# Altium PCB PCB_SDR.PcbDoc (part 2 of 6) (continued)
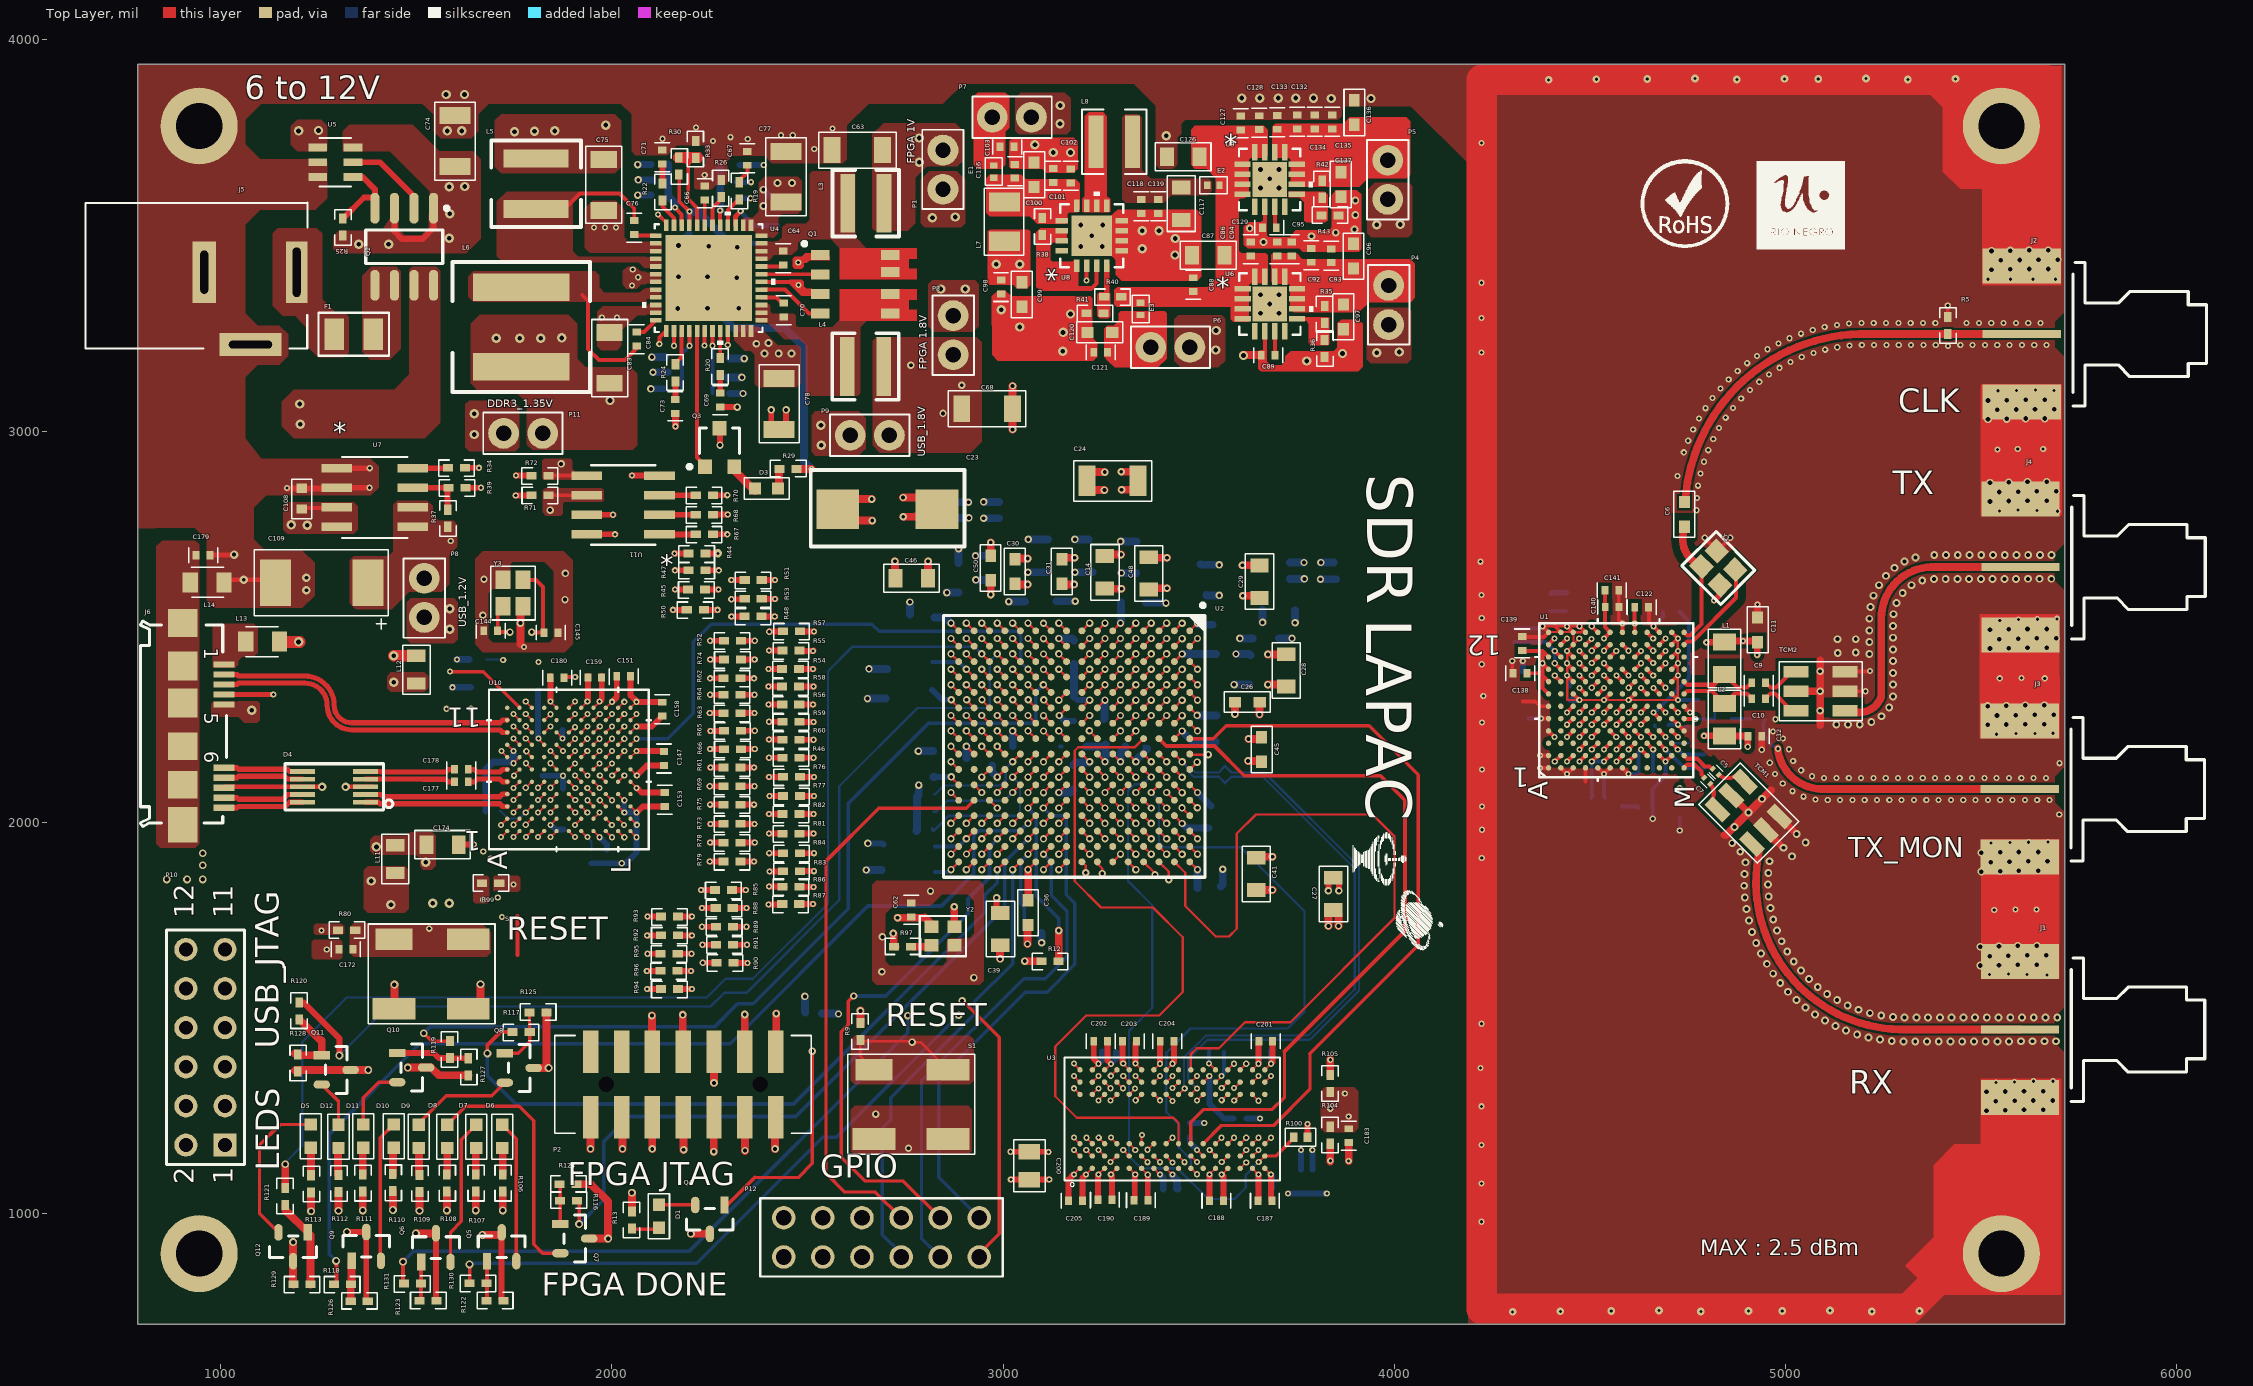
[diagram p0: Top Layer view]
## Nets (pads, with @x,y where several pads share a name; then routed paths per layer and width w, separated by ;. In a path a pad name is that pad's centre, name@x,y a point inside that pad or via, vN(x,y) a via of type N, cw(c..) or ccw(c..) an arc to the next point about the centre after c; other vN are vias at no path point) (continued)
  Bottom Layer w6: C130.2@4665.13,2245.5 v1(4692.71,2217.91) 4708.59,2202.04 C131.2@4751.61,2202.04
  Bottom Layer w10: C130.2@4665.13,2245.5 C130.2@4665.13,2248
  other v1: 4472.64,2154.92 4472.64,2186.42 4504.13,2186.42 4378.15,2406.49
  other v6: 3955,3527 4015,3528
1.3V_B_OUT: C132.2 C133.2 C134.2 C135.2 C136.2 C137.2 P5.2 R42.2 U9.10 U9.11 U9.12 U9.13 U9.14
1.8V: C68.2 C72.2 L4.2 P3.2 P9.1 R21.2 U4.48 | length 111
  Top Layer w10: v1(2118,3553) 2138.78,3532.22 U4.48@2138.78,3526.09
  Bottom Layer w6.9: v2(2338,3185) v2@2339,3185
  Bottom Layer w20: C72.2@2294.72,3137 v2(2332,3137) ; R21.2@2301.76,3185 v2@2339,3185
  other v2: 2846,3045 2894,3117 2764,3168
1.8V_F: C27.1 C28.1 C29.1 C30.1 C31.1 C32.1 C33.1 C34.1 C35.1 C36.1 C37.1 C38.1 C40.1 C46.1 C47.1 C48.1 C49.1 C50.1 C51.1 C52.1 C53.1 C54.1 C55.1 C56.1 C57.1 C58.1 C59.1 C62.1 P2.2 P3.1 P12.7 P12.8 P12.9 R9.2 R11.2 R12.2 R14.2 R15.2 R16.2 R97.1 U2.A6 U2.B3 U2.D7 U2.E4 U2.E7 U2.F1 U2.G8 U2.G10 U2.J2 U2.J10 U2.K11 U2.L6 U2.L10 U2.L16 U2.M3 U2.M13 U2.N10 U2.P7 U2.R4 U2.R14 U2.T1 U2.T11 Y2.4 | length 2493
  Top Layer w6: v2@2866.54,2115.35 U2.T11@2886.22,2095.67 ; v2(2866.54,2509.06) U2.T1@2886.22,2489.37 ; v2@2905.03,1957 v2(2905.91,1957.87) U2.R14@2925.59,1977.56 ; v2(2905.91,2390.95) U2.R4@2925.59,2371.26 ; v2(2945.28,2272.83) U2.P7@2964.96,2253.15 ; v2(2984.65,2115.35) U2.N10@3004.33,2135.04 ; v2(3024.02,1997.24) U2.M13@3043.7,2016.93 ; v2(3024.02,2430.32) U2.M3@3043.7,2410.63 ; v2(3063.39,1879.13) U2.L16@3083.07,1898.82 ; v2(3063.39,2115.35) U2.L10@3083.07,2135.04 ; v2@3063.39,2312.2 U2.L6@3083.07,2292.52 ; v2@3102.76,2075.98 U2.K11@3122.44,2095.67 ; v2(3142.13,2115.35) U2.J10@3161.81,2135.04 ; v2(3142.13,2469.69) U2.J2@3161.81,2450 ; v2(3220.09,2234.02) U2.G8@3239.77,2214.33 ; U2.G10@3240.55,2135.04 v2(3260.24,2115.35) ; U2.F1@3279.92,2489.37 v2(3299.61,2509.06) ; U2.E7@3319.29,2253.15 v2(3338.98,2272.83) ; U2.E4@3319.29,2371.26 v2(3338.98,2390.94) ; U2.D7@3358.66,2253.15 v2(3378.35,2272.83) ; U2.B3@3437.4,2410.63 v2@3457.09,2430.32 ; U2.A6@3476,2293 v2(3495.68,2273.32)
  Top Layer w10: C46.1@2723,2624.66 C46.1@2724.66,2623
  Top Layer w20: P2.2@2420,1416 v7(2420,1510.86) v7@2420,1511.86 ; R9.2@2635,1483.76 v2(2635,1518) v2@2635,1519 ; v2(2719,1716) 2720,1715 2720,1687.24 R97.1@2725.24,1682 ; C46.1@2723,2624.66 v2(2723,2667) ; v2(2730,1756) 2798.43,1756 2799.43,1757 2816.24,1740.19 Y2.4@2816.24,1732.84 ; v2(2968,2582) C50.1@2968,2621.5 ; C30.1@3029,2608 v2(3062.5,2608) ; v2(3055,1645) R12.2@3093,1645 ; C36.1@3064,1803 v2@3064,1879 ; C31.1@3148,2608 v2(3181.5,2608) ; C48.1@3381,2598 v2(3418.66,2598) ; v2(3611.34,2657) C29.1@3659,2657 ; v2(3676.34,2352) C28.1@3708,2352 ; v2(3831,1735) 3831,1762.66 C27.1@3844,1775.66 3857,1762.66 v2(3857,1735)
  Bottom Layer w5.91: C34.1@2703.66,2392 C34.1@2705,2393.34 ; C53.1@3545.19,2273.32 C53.1@3545.5,2273
  Bottom Layer w10: C33.1@2819.66,2410 2886.85,2410 v2(2905.91,2390.95) ; C37.1@2826,1938 2886.03,1938 v2(2905.91,1957.87)
  Bottom Layer w15: C40.1@2825.03,2116.01 v2(2867,2116.15)
  Bottom Layer w20: v7(2493,1555) 2493,1515 R11.2@2494,1514 ; v2(2657,2392) C34.1@2703.66,2392 ; R15.2@2778.24,1978 2780,1979.77 2780,2065.76 2784,2069.76 v2(2784,2095) ; C40.1@2822,2116 C40.1@2825.03,2116.01 ; C49.1@2824.5,2523 2852.59,2523 v2(2866.54,2509.06) ; v2@2855,2587 v2(2856,2587) C56.1@2886,2587 ; v2(2930,2619.5) C51.1@2966.5,2619.5 ; v2(2950,2777) C58.1@2989.51,2777 ; v2(2950,2819) C58.1@2989.51,2819 ; C38.1@2972,2145.5 2972,2128 v2(2984.65,2115.35) ; v2(3142.13,2469.69) 3176.31,2469.69 C57.1@3181,2465 ; v2(3183.34,2639) C47.1@3229,2639 ; v2(3299.61,2509.06) 3301,2510.45 C55.1@3301,2562 ; v2(3457.33,2430.07) C54.1@3544,2430.07 ; v2(3495.68,2273.32) C53.1@3545.19,2273.32 ; C35.1@3504,2659.34 3505.34,2658 v2(3552,2658) ; v2(3590,2352) C32.1@3630,2352 ; v2(3663,2511) C52.1@3663,2542.85 ; C59.1@3732.85,2622 v2(3769.85,2622) ; C59.1@3732.85,2664 v2(3768.85,2664)
  other v2: 3103,2075.74 3063.85,2313
  other v6: 2840,3363 2903,3363
1.8V_USB: C157.2 C158.2 C159.2 C160.2 C161.2 C162.2 C163.2 C164.2 C165.2 C166.2 C167.2 L12.1 P9.2 P10.11 R71.2 R72.2 R80.1 U10.B1 U10.C11 U10.E3 U10.F1 U10.H4 U10.H11 U10.L9 U11.8 | length 480.5
  Top Layer w5: v6(1442,2426) v6@1442.54,2425.46 ; v1(1748.03,1962.21) U10.B1@1763.78,1977.56 ; v1(1779.53,2308.27) U10.C11@1795.28,2292.52 ; v1@1842.52,2025.2 U10.E3@1858.27,2040.55 ; U10.F1@1889.76,1977.56 v1@1905.12,1961.81 ; v1@1936.88,2087.55 U10.H4@1952.24,2071.8 ; U10.H11@1952.76,2292.52 v1(1968.5,2308.27) ; U10.L9@2047.24,2229.53 v1(2062.99,2244.88)
  Top Layer w15: v1@1753,2835 v1(1754,2835) R71.2@1791,2835 ; v1@1754,2886 v1(1755,2886) R72.2@1792,2886 ; v1(1968.5,2308.27) 1973.72,2313.48 C159.2@1973.72,2374 ; U11.8@1971,2736 v1(2008,2736) v1@2009,2736 ; v1(2062.99,2244.88) 2101.6,2244.88 C158.2@2128,2271.28
  Top Layer w30: v6@1442.54,2425.46 L12.1@1500,2425.46
  Bottom Layer w5: v1@1748.03,1959.97 v1(1748.03,1962.21) ; v1@1842.52,2025.2 v1@1845.2,2025.2 ; v1@1905.64,1958.36 v1(1905.64,1962.06) v1@1906.94,1962.06
  other v1: 1258,1723 1842.52,2024.8 1937.01,2087.8
  other v6: 2535,2964 2534,3015
1.8VAD9364: C86.2 C87.2 C88.2 C126.2 C127.2 C128.2 E2.2 E3.1 R40.1 U6.1 U6.2 U6.3 U6.4 U6.15 U6.16 U9.1 U9.2 U9.3 U9.4 U9.15 U9.16
1.35V: C83.2 C85.2 L6.2 P11.1 R31.2 | length 69.9
  Bottom Layer w20: v2(2102,3189) R31.2@2135.24,3189 ; v2(2104.87,3150.13) C85.2@2141.54,3150.13
  other v6: 1995,3078 1704,3237 1764,3237 1818,3237 1872,3238
1V: C63.2 C65.2 L3.2 P1.2 R17.2 U4.21 | length 104.6
  Top Layer w10: v1@2296.26,3220.74 U4.21@2296.26,3255.8
  Bottom Layer w15: C65.2@2318.72,3636 v1(2355,3636) ; R17.2@2320.76,3595 v1(2354,3595)
  other v1: 2296,3220
  other v6: 2785,3687 2785,3749
1V_F: C13.1 C14.1 C15.1 C16.1 C17.1 C18.1 C19.1 C20.1 C21.1 C22.1 C23.1 C24.1 C25.1 C26.1 P1.1 U2.E10 U2.F7 U2.F9 U2.F11 U2.G6 U2.H9 U2.J6 U2.K9 U2.L8 | length 816.2
  Top Layer w6: v2(3063.39,2233.46) U2.L8@3083.07,2213.78 ; v2@3102.76,2154.72 U2.K9@3122.44,2174.41 ; v2@3142.61,2272.65 v2(3143,2273.04) 3162.15,2292.19 U2.J6@3162.29,2292.33 ; U2.H9@3201.18,2174.41 v2(3220.87,2154.72) ; U2.G6@3240.55,2292.52 v2(3260.24,2312.2) ; v2(3260.24,2075.98) U2.F11@3279.92,2095.67 ; U2.F9@3279.92,2174.41 v2(3299.61,2154.72) ; U2.F7@3279.92,2253.15 v2(3299.61,2272.83) ; U2.E10@3319.29,2135.04 v2(3338.98,2115.35)
  Top Layer w20: v2(2744,2830) C23.1@2776.51,2830 ; v2(2744.49,2781) 2775,2781 2776,2782 ; C24.1@3221.99,2849 v2@3258.65,2849 ; C24.1@3222.99,2895 v2@3259.65,2895 ; C14.1@3264.34,2597 v2(3302,2597) ; v2(3592,2276.34) C26.1@3592,2308
  Bottom Layer w5.91: v2(3338.98,2115.35) v2@3340.33,2114
  Bottom Layer w6: C17.1@3311.5,2194 C17.1@3312,2193.5
  Bottom Layer w10: v2(3103,2154.48) v2@3105.48,2154.48 ; C18.1@3145,2194 C18.1@3149.5,2194
  Bottom Layer w15: v2(3143,2273.04) 3157.54,2258.5 C19.1@3181,2258.5 ; C20.1@3256,2261.5 C20.1@3259,2264.5 ; v2@3259,2310.97 v2(3260.24,2312.2)
  Bottom Layer w20: v2(3014,2564) C15.1@3055.81,2564 ; v2(3063,2639) C13.1@3112,2639 ; C22.1@3179,2146.5 3185.51,2153 3219.14,2153 v2(3220.87,2154.72) ; C20.1@3259,2264.5 v2@3259,2310.97 ; v2(3299.61,2154.72) 3299.61,2178.61 3312,2191 C17.1@3312,2193.5 ; v2@3301.49,2718 C16.1@3341,2718 ; C25.1@3705.15,2470 v2(3738.15,2470)
  other v2: 3300,2718 3258.5,2849 3259.5,2895
  other v6: 2819,3545 2877,3547
3.3V: C75.2 C82.2 C98.2 C99.2 C108.1 L5.2 L7.1 R13.2 R27.2 R106.2 R107.2 R108.2 R109.2 R110.2 R111.2 R112.2 R113.2 U4.14 U7.3 U7.4 | length 637.4
  Top Layer w10: C108.1@1207,2800.62 1209.38,2803 U7.3@1297,2803 ; v1(2158.46,3218) U4.14@2158.46,3255.8
  Top Layer w20: v3(1231,1006.05) R113.2@1231,1054.24 ; v3(1301,1007.05) R112.2@1301,1055.24 ; v3(1363,1008.05) R111.2@1363,1056.24 ; v3(1440,1009.05) R110.2@1440,1057.24 ; v3(1508,1007.05) R109.2@1508,1055.24 ; v3(1578,1008.05) R108.2@1578,1056.24 ; v3(1652,1008.05) R107.2@1652,1056.24 ; v3(1721,1008.05) R106.2@1721,1056.24 ; R13.2@2051,1004.76 v3(2051,1052.95)
  Bottom Layer w17.54: v2@2065,3603 R27.2@2100.24,3603 ; v2@2065,3643 2066,3642 C82.2@2104.28,3642
  other v2: 2066,3603 2067,3642
  other v3: 862,1854 914,1854 954,1854 954,1890 954,1921
  other v6: 1221,2759 1180,2760 2982,3426 3042,3426 1751,3765 1802,3766 1854,3767 1984,3782
AD9364_CTRL_IN0: U1.C5 U2.J5 | length 2400.2
  Top Layer w6: v2(3142.32,2312.31) 3161.85,2331.85 U2.J5@3162,2332
  Top Layer w10: v1@4440.95,2249.21 v1(4441.14,2249.41) U1.C5@4456.69,2264.96
  Signal 1 w4.15: v2(3142.32,2312.31) 3201,2371 3702,2371 3740,2333 3740,2181 3971,1950 3971,1738 4028,1681 4372,1681 4425.85,1734.85 4425.85,2234 4441.14,2249.29 v1(4441.14,2249.41)
AD9364_CTRL_IN1: U1.C6 U2.E3 | length 2184.4
  Top Layer w6: U2.E3@3319.29,2410.63 v2(3338.98,2430.32)
  Top Layer w10: v1@4440.95,2280.71 v1(4441.14,2280.91) U1.C6@4456.69,2296.46
  Signal 1 w4.15: v2(3338.98,2430.32) 3339.32,2430.32 3359,2450 3748,2450 3806,2392 3806,2199.5 3938,2067.5 4058.5,2067.5 4112,2014 4112,1778 4139,1751 4335.85,1751 4352,1767.15 4352,2217.15 4415.76,2280.91 v1(4441.14,2280.91)
  Signal 2 w4.15: v2(3338.98,2430.32) v2@3339.32,2430.32
AD9364_CTRL_IN2: U1.D6 U2.B2 | length 2136.2
  Top Layer w6: U2.B2@3437.4,2450 v2@3457.09,2469.69
  Top Layer w10: v1@4472.44,2280.71 v1(4472.64,2280.91) U1.D6@4488.19,2296.46
  Signal 1 w4.15: v2(3457.33,2469.44) 3457.33,2471.33 3476,2490 3762,2490 3821,2431 3821,2216 3943,2094 4067,2094 4131,2030 4131,1800 4164,1767 4318.85,1767 4335,1783.15 4335,2251 4381,2297 4457.85,2297 4472.64,2282.21 v1(4472.64,2280.91)
AD9364_CTRL_IN3: U1.D5 U2.B5 | length 2102.9
  Top Layer w6: U2.B5@3437.4,2331.89 v2@3457.09,2351.57
  Top Layer w10: v1@4472.44,2249.21 v1(4472.64,2249.41) U1.D5@4488.19,2264.96
  Signal 1 w4.15: v2(3457.33,2351.33) 3460.67,2351.33 3481,2331 3694,2331 3725,2300 3725,2169 3944,1950 3944,1715 3994,1665 4394.85,1665 4457,1727.15 4457,2233.77 v1(4472.64,2249.41)
AD9364_CTRL_OUT0: U1.D4 U2.A5 | length 2076.9
  Top Layer w6: U2.A5@3476.77,2331.89 v2(3496.46,2312.21)
  Top Layer w10: v1@4472.44,2217.72 v1(4472.64,2217.91) U1.D4@4488.19,2233.46
  Signal 1 w4.15: v2(3496.46,2312.21) 3672.79,2312.21 3704,2281 3704,2161 3917,1948 3917,1703.73 3970.66,1647.63 4433.48,1647.63 4487.85,1702 4487.85,2201.83 4471.76,2217.91 v1(4472.64,2217.91)
AD9364_CTRL_OUT1: U1.E4 U2.B6 | length 2152.2
  Top Layer w6: U2.B6@3437.4,2292.52 v2@3457.09,2312.2
  Top Layer w10: v1@4503.94,2217.72 v1(4504.13,2217.91) U1.E4@4519.68,2233.46
  Signal 1 w4.15: v2(3457.33,2311.96) 3457.96,2311.96 3476.68,2293.24 3608.76,2293.24 3681,2221 3681,2146 3891,1936 3891,1676 3935,1632 4468.85,1632 4518.85,1682 4518.85,2203.2 v1(4504.13,2217.91)
AD9364_CTRL_OUT2: U1.E5 U2.D4 | length 2124.1
  Top Layer w6: U2.D4@3358.66,2371.26 v2(3378.35,2390.94)
  Top Layer w10: v1@4503.94,2249.21 v1(4504.13,2249.41) U1.E5@4519.68,2264.96
  Signal 2 w4.15: v2@3379.94,2390.94 v2(3378.35,2390.94) 3378.35,2389.65 3398,2370 3507,2370 3586,2449 3736,2449 3778,2407 3778,2331 3938,2171 4052,2171 4087,2136 4087,1818 4120,1785 4389.85,1785 4488,1883.15 4488,2233.28 v1(4504.13,2249.41) v1@4504.13,2248.28
AD9364_CTRL_OUT3: U1.E6 U2.C1 | length 2254.8
  Top Layer w6: U2.C1@3398.03,2489.37 v2(3417.72,2509.06)
  Top Layer w10: v1@4503.94,2280.71 v1(4504.13,2280.91) U1.E6@4519.68,2296.46
  Signal 1 w4.15: v2@3417.72,2511.72 v2(3417.72,2509.06) 3418.06,2509.06 3442,2533 3768,2533 3846,2455 3846,2227.5 3956,2117.5 4098.5,2117.5 4157,2059 4157,1813 4184,1786 4288.85,1786 4317,1814.15 4317,2253 4391,2327 4489.85,2327 4504.13,2312.72 v1(4504.13,2280.91)
AD9364_CTRL_OUT4: U1.F6 U2.A4 | length 2067.8
  Top Layer w6: U2.A4@3476.77,2371.26 v2(3496.46,2351.57)
  Top Layer w10: v1@4535.43,2280.71 v1(4535.63,2280.91) U1.F6@4551.18,2296.46
  Signal 2 w4.15: v2(3496.46,2351.57) 3514.57,2351.57 3574,2411 3733,2411 3759,2385 3759,2317 3928,2148 4035,2148 4066,2117 4066,1790 4097,1759 4416.85,1759 4519.85,1862 4519.85,2265.13 v1(4535.63,2280.91) v1@4535.63,2280.78
AD9364_CTRL_OUT5: U1.F5 U2.C6 | length 2338
  Top Layer w6: U2.C6@3398.03,2292.52 v2(3417.72,2312.2)
  Top Layer w10: v1@4535.43,2249.21 v1(4535.63,2249.41) U1.F5@4551.18,2264.96
  Signal 1 w4.15: v2@3417.72,2311.28 v2(3417.72,2312.2) 3440.43,2289.49 3440.43,2265.59 3451.02,2255 3618,2255 3659,2214 3659,2123 3801,1981 3801,1669 3857,1613 4498.85,1613 4550.85,1665 4550.85,2233.82 4535.26,2249.41 v1(4535.63,2249.41)
  Signal 2 w4.15: v1@4534.26,2249.41 v1(4535.63,2249.41)
AD9364_CTRL_OUT6: U1.F4 U2.F5 | length 2247.8
  Top Layer w6: U2.F5@3279.92,2331.89 v2(3299.61,2351.57)
  Top Layer w10: U1.F4@4551.18,2233.46 v1(4566.73,2217.91) v1@4566.93,2217.72
  Signal 2 w4.15: v2@3301.43,2351.57 v2(3299.61,2351.57) 3319,2332.18 3319,2301 3325,2295 3686,2295 4026,1955 4026,1724 4053,1697 4515,1697 4582.85,1764.85 4582.85,2200.76 4566.73,2216.88 v1(4566.73,2217.91)
AD9364_CTRL_OUT7: U1.G4 U2.B7 | length 2090
  Top Layer w6: U2.B7@3437.4,2253.15 v2@3457.09,2272.83
  Top Layer w10: U1.G4@4582.68,2233.46 v1(4598.23,2217.91) v1@4598.42,2217.72
  Signal 1 w4.15: v2(3457.33,2272.59) v2@3457.41,2272.59
  Signal 2 w4.15: v2(3457.33,2272.59) 3457.33,2268.67 3470,2256 3686,2256 4005,1937 4005,1717 4049,1673 4530,1673 4614.85,1757.85 4614.85,2200.83 4597.76,2217.91 v1(4598.23,2217.91)
AD9364_P0D0: U1.E12 U2.H2 | length 2963.7
  Top Layer w6: U2.H2@3201.18,2450 v2(3220.87,2469.69)
  Top Layer w10: v1@4503.94,2501.18 v1(4504.13,2500.98) U1.E12@4519.68,2485.43
  Signal 1 w4.15: v2(3220.87,2469.69) 3240,2488.82 3240,2780 3266,2806 3548,2806 3569,2785 3569,2771 3582,2758 3608,2758 3619.5,2769.5 3619.5,2783.5 3643,2807 3956,2807 3992,2771 3992,2324 4045,2271 4103,2271 4128,2296 4128,2762 4173,2807 4464.85,2807 4504.85,2767 4504.85,2500.27 v1(4504.13,2500.98)
AD9364_P0D1: U1.D11 U2.G1 | length 2960.5
  Top Layer w6: U2.G1@3240.55,2489.37 v2(3260.24,2509.06)
  Top Layer w10: U1.D11@4487.85,2453 4488.49,2453.64 v1(4503.4,2468.55) v1@4503.6,2468.75
  Signal 1 w4.15: v2(3260.24,2509.06) 3260.24,2765.24 3280,2785 3525,2785 3554,2756 3554,2716 3571,2699 3622,2699 3639,2716 3639,2763 3666,2790 3927,2790 3966,2751 3966,2314 4041,2239 4126,2239 4153,2266 4153,2740 4199,2786 4451.85,2786 4489,2748.85 4489,2482.95 v1(4503.4,2468.55) v1@4503.4,2471.45
AD9364_P0D2: U1.E11 U2.H1 | length 2956.4
  Top Layer w6: U2.H1@3201.18,2489.37 v2(3220.87,2509.06)
  Top Layer w10: v1@4503.94,2438.19 v1(4504.13,2438.39) U1.E11@4519.68,2453.94
  Signal 1 w4.15: v2(3220.87,2509.06) 3220.87,2789.87 3257,2826 3969,2826 4016,2779 4016,2337 4040,2313 4084,2313 4104,2333 4104,2769 4161,2826 4477.85,2826 4520.85,2783 4520.85,2453 4506.24,2438.39 v1(4504.13,2438.39) v1@4503.46,2438.39
AD9364_P0D3: U1.D10 U2.B1 | length 2917.1
  Top Layer w6: U2.B1@3437.4,2489.37 v2@3457.09,2509.06
  Top Layer w10: v1@4472.44,2438.19 v1(4472.64,2437.99) U1.D10@4488.19,2422.44
  Signal 1 w4.15: v1(4472.64,2437.99) v1@4472.64,2438.21
  Signal 2 w4.15: v2(3457.33,2508.81) 3457.33,2935.33 3483,2961 3877,2961 3983,2855 3983,2352 4031,2304 4135,2304 4187,2252 4187,2223 4224,2186 4302.85,2186 4344,2227.15 4344,2434.15 4394.85,2485 4394.85,2707.85 4423,2736 4458,2736 4487.85,2706.15 4487.85,2453.2 v1(4472.64,2437.99)
AD9364_P0D4: U1.E10 U2.C3 | length 2915.9
  Top Layer w6: U2.C3@3398.03,2410.63 v2(3417.72,2430.32)
  Top Layer w10: v1@4503.94,2406.69 v1(4504.13,2406.89) U1.E10@4519.68,2422.44
  Signal 2 w4.15: v2(3417.72,2430.32) 3418.32,2430.32 3437,2449 3465,2449 3478,2462 3478,2923 3497,2942 3843,2942 3946,2839 3946,2343 4022,2267 4145,2267 4167,2245 4167,1992 4215,1944 4300,1944 4343.07,1987.07 4343.07,2190.07 4358,2205 4358,2412.04 4368.96,2423 4486.85,2423 4502.96,2406.89 v1(4504.13,2406.89)
AD9364_P0D5: U1.D9 U2.G2 | length 2964.1
  Top Layer w6: U2.G2@3240.55,2450 v2(3260.24,2469.69)
  Top Layer w10: v1@4472.44,2406.69 v1(4472.64,2406.49) U1.D9@4488.19,2390.94
  Signal 1 w4.15: v2@3260.24,2470.24 v2(3260.24,2469.69) 3279,2488.45 3279,2743 3301,2765 3504,2765 3529,2740 3529,2701 3549,2681 3639,2681 3667,2709 3667,2741 3696,2770 3903,2770 3941,2732 3941,2300 4024,2217 4155,2217 4179,2241 4179,2715 4229,2765 4422,2765 4457.84,2729.16 4457.84,2420 4471.34,2406.49 v1(4472.64,2406.49)
AD9364_P0D6: U1.E9 U2.A2 | length 2915.3
  Top Layer w6: U2.A2@3476.77,2450 v2(3496.46,2469.69)
  Top Layer w10: v1@4503.94,2375.2 v1(4504.13,2375.39) U1.E9@4519.68,2390.94
  Signal 2 w4.15: v2(3496.46,2469.69) 3499.69,2469.69 3529,2499 3529,2689 cw(c3529,2707.57) 3529,2726.15 ccw(c3529,2744.72) 3529,2763.3 cw(c3529,2781.87) 3529,2800.44 3529,2820 3529,2867 3584,2922 3818,2922 3913,2827 3913,2309 3987,2235 4105,2235 4146,2194 4146,1895 4167,1874 4327.85,1874 4393.85,1940 4393.85,2379.89 4404.96,2391 4488.53,2391 v1(4504.13,2375.39)
AD9364_P0D7: U1.D8 U2.F2 | length 2958.8
  Top Layer w6: U2.F2@3279.92,2450 v2(3299.61,2469.69)
  Top Layer w10: v1@4472.44,2375.19 v1(4472.64,2375) U1.D8@4488.19,2359.45
  Signal 1 w4.15: v2(3299.61,2469.69) 3299.69,2469.69 3321,2491 3321,2710 3353,2742 3482,2742 3506,2718 3506,2659 3531,2634 3660,2634 3689,2663 3689,2710 3720,2741 3874,2741 3918,2697 3918,2266 3992,2192 4230,2192 4253,2215 4253,2716 4283,2746 4397,2746 4425,2718 4425,2398.85 4431.85,2392 4453.85,2392 4470.85,2375 v1(4472.64,2375)
AD9364_P0D8: U1.E8 U2.E1 | length 2954.1
  Top Layer w6: U2.E1@3319.29,2489.37 v2(3338.98,2509.06)
  Top Layer w10: v1@4503.94,2343.7 v1(4504.13,2343.9) U1.E8@4519.68,2359.45
  Signal 1 w4.15: v2(3338.98,2509.06) 3338.98,2696.98 3359,2717 3457,2717 3480,2694 3480,2619 3495,2604 3688,2604 3710,2626 3710,2683 3742,2715 3856,2715 3894,2677 3894,2243 3972,2165 4239,2165 4276,2202 4276,2707 4298,2729 4376,2729 4394.85,2710.15 4394.85,2366.15 4402,2359 4487.65,2359 4502.75,2343.9 v1(4504.13,2343.9)
AD9364_P0D9: U1.D7 U2.E2 | length 2963.5
  Top Layer w6: U2.E2@3319.29,2450 v2(3338.98,2469.69)
  Top Layer w10: v1@4472.44,2343.7 v1(4472.64,2343.5) U1.D7@4488.19,2327.95
  Signal 1 w4.15: v2(3338.98,2469.69) 3339.69,2469.69 3359,2489 3359,2677 3381,2699 3430,2699 3454,2675 3454,2581 3479,2556 3682,2556 3734,2608 3734,2666 3760,2692 3838,2692 3870,2660 3870,2233 3962.5,2140.5 4129.5,2140.5 4179,2091 4179,1829 4204,1804 4274,1804 4299.85,1829.85 4299.85,2377.85 4316,2394 4343,2394 4359,2378 4359,2357 4372.5,2343.5 v1(4472.64,2343.5)
AD9364_P0D10: U1.F8 U2.C2 | length 2917.8
  Top Layer w6: U2.C2@3398.03,2450 v2(3417.72,2469.69)
  Top Layer w10: v1@4535.43,2375.19 v1(4535.63,2375) U1.F8@4551.18,2359.45
  Signal 1 w4.15: v2@3417.72,2469.28 v2(3417.72,2469.69)
  Signal 2 w4.15: v2@3417.72,2471.72 v2(3417.72,2469.69) 3437,2488.97 3437,2946 3472,2981 3906,2981 4014,2873 4014,2395 4074,2335 4192,2335 4356.85,2499.85 4356.85,2741 4411.85,2796 4476.85,2796 4518.85,2754 4518.85,2391.78 v1(4535.63,2375) ; v1@4535.63,2374.78 v1(4535.63,2375) ; v1@4535.63,2376.22 v1(4535.63,2375)
AD9364_P0D11: U1.E7 U2.A3 | length 2912.2
  Top Layer w6: U2.A3@3476.77,2410.63 v2(3496.46,2390.94)
  Top Layer w10: U1.E7@4519.68,2327.95 v1(4535.23,2343.5) v1@4535.43,2343.7
  Signal 2 w4.15: v2(3496.46,2390.94) 3496.46,2393.46 3634,2531 3634,2836 3672,2874 3785,2874 3833,2826 3833,2531 cw(c3833,2512.43) 3833,2493.85 ccw(c3833,2475.28) 3833,2456.7 cw(c3833,2438.13) 3833,2419.56 3833,2411 3833,2314 3956,2191 4071,2191 4107,2155 4107,1841 4140,1808 4370.85,1808 4455.85,1893 4455.85,2286.85 4466,2297 4487.62,2297 4535.23,2344.62 v1(4535.23,2343.5)
AD9364_P1D0: U1.K11 U2.K3 | length 2966.3
  Top Layer w6: v2@3102.76,2430.32 v2(3103,2430.07) U2.K3@3122.44,2410.63
  Top Layer w10: U1.K11@4677.17,2453.94 v1(4692.71,2469.49) v1@4692.91,2469.69
  Signal 1 w4.15: v2@3101.93,2430.07 3081,2451 3081,2945 3257,3121 3322,3121 cw(c3340.57,3121) 3359.15,3121 ccw(c3377.72,3121) 3396.3,3121 cw(c3414.87,3121) 3433.44,3121 ccw(c3452.02,3121) 3470.59,3121 cw(c3489.17,3121) 3507.74,3121 ccw(c3526.31,3121) 3544.89,3121 3566,3121 4571.85,3121 4692.71,3000.14 v1(4692.71,2469.49)
AD9364_P1D1: U1.J12 U2.K2 | length 2966
  Top Layer w6: v2@3102.76,2469.69 v2(3103,2469.44) U2.K2@3122.44,2450
  Top Layer w10: U1.J12@4645.67,2485.43 v1(4661.22,2469.88)
  Signal 1 w4.15: v2@3103,2472 v2(3103,2469.44) 3123,2489.44 3123,2916 3243,3036 3316,3036 cw(c3335.57,3036) 3355.15,3036 ccw(c3374.72,3036) 3394.3,3036 cw(c3413.87,3036) 3433.44,3036 ccw(c3453.02,3036) 3472.59,3036 cw(c3492.17,3036) 3511.74,3036 ccw(c3531.31,3036) 3550.89,3036 cw(c3570.46,3036) 3590.04,3036 ccw(c3609.61,3036) 3629.18,3036 cw(c3648.76,3036) 3668.33,3036 ccw(c3687.91,3036) 3707.48,3036 cw(c3727.05,3036) 3746.63,3036 ccw(c3766.2,3036) 3785.78,3036 cw(c3805.35,3036) 3824.92,3036 ccw(c3844.5,3036) 3864.07,3036 cw(c3883.65,3036) 3903.22,3036 ccw(c3922.79,3036) 3942.37,3036 3956,3036 4571,3036 4644.85,2962.15 4644.85,2486.25 v1(4661.22,2469.88)
AD9364_P1D2: U1.K10 U2.H4 | length 2921.2
  Top Layer w6: U2.H4@3201.18,2371.26 v2(3220.87,2390.94)
  Top Layer w10: U1.K10@4677.17,2422.44 v1(4692.71,2437.99) v1@4692.91,2438.19
  Signal 1 w4.15: v1(4692.71,2437.99) v1@4692.71,2440.14
  Signal 2 w4.15: v2(3220.87,2390.94) 3217.06,2390.94 3164,2444 3164,2888 3389,3113 4237.85,3113 4261.85,3089 4261.85,3044 4277.85,3028 4295.85,3028 4314.85,3047 4314.85,3091 4335.85,3112 4481.85,3112 4523.85,3070 4523.85,2996 4548.85,2971 4614,2971 4708.85,2876.15 4708.85,2454.13 v1(4692.71,2437.99)
AD9364_P1D3: U1.J11 U2.J1 | length 2963.4
  Top Layer w6: v2(3142.13,2509.06) U2.J1@3161.81,2489.37
  Top Layer w10: U1.J11@4645.67,2453.94 v1(4661.22,2438.39) v1@4661.42,2438.19
  Signal 1 w4.15: v2(3142.13,2509.06) 3142.13,2899 3227.13,2984 3299,2984 cw(c3318.57,2984) 3338.15,2984 ccw(c3357.72,2984) 3377.3,2984 cw(c3396.87,2984) 3416.44,2984 ccw(c3436.02,2984) 3455.59,2984 cw(c3475.17,2984) 3494.74,2984 ccw(c3514.31,2984) 3533.89,2984 cw(c3553.46,2984) 3573.04,2984 ccw(c3592.61,2984) 3612.18,2984 cw(c3631.76,2984) 3651.33,2984 ccw(c3670.91,2984) 3690.48,2984 cw(c3710.05,2984) 3729.63,2984 ccw(c3749.2,2984) 3768.78,2984 cw(c3788.35,2984) 3807.92,2984 ccw(c3827.5,2984) 3847.07,2984 cw(c3866.65,2984) 3886.22,2984 ccw(c3905.79,2984) 3925.37,2984 cw(c3944.94,2984) 3964.52,2984 ccw(c3984.09,2984) 4003.66,2984 cw(c4023.24,2984) 4042.81,2984 ccw(c4062.39,2984) 4081.96,2984 cw(c4101.53,2984) 4121.11,2984 4127,2984 4583,2984 4628.85,2938.15 4628.85,2470.76 v1(4661.22,2438.39)
AD9364_P1D4: U1.K9 U2.L2 | length 2957.9
  Top Layer w6: v2(3063.39,2469.69) U2.L2@3083.07,2450
  Top Layer w10: U1.K9@4677.17,2390.94 v1(4692.71,2406.49) v1@4692.91,2406.69
  Signal 1 w4.15: v2(3063.39,2469.69) 3043,2490.07 3043,2936 3262,3155 4572.87,3155 4708,3019.87 4708,2419 4695.49,2406.49 v1(4692.71,2406.49)
AD9364_P1D5: U1.J10 U2.K1 | length 2965.9
  Top Layer w6: v2@3102.76,2509.06 v2(3103,2508.81) U2.K1@3122.44,2489.37
  Top Layer w10: U1.J10@4645.67,2422.44 v1(4661.22,2406.89) v1@4661.42,2406.69
  Signal 1 w4.15: v2(3103,2508.81) 3103,2934 3249,3080 4073,3080 cw(c4092.57,3080) 4112.15,3080 ccw(c4131.72,3080) 4151.3,3080 cw(c4170.87,3080) 4190.44,3080 ccw(c4210.02,3080) 4229.59,3080 cw(c4249.17,3080) 4268.74,3080 ccw(c4288.31,3080) 4307.89,3080 cw(c4327.46,3080) 4347.04,3080 ccw(c4366.61,3080) 4386.18,3080 cw(c4405.76,3080) 4425.33,3080 ccw(c4444.91,3080) 4464.48,3080 cw(c4484.05,3080) 4503.63,3080 4504,3080 4558,3080 4676.01,2961.99 4676.01,2420.01 4662.89,2406.89 v1(4661.22,2406.89) v1@4660.96,2406.89
AD9364_P1D6: U1.K8 U2.L3 | length 2924.3
  Top Layer w6: v2(3063.39,2430.32) U2.L3@3083.07,2410.63
  Top Layer w10: U1.K8@4677.17,2359.45 v1(4692.71,2343.9) v1@4692.91,2343.7
  Signal 2 w4.15: v2(3063.39,2430.32) 3064.32,2430.32 3083,2449 3083,2832 3381,3130 4502,3130 4740.85,2891.15 4740.85,2364 4720.75,2343.9 v1(4692.71,2343.9)
AD9364_P1D7: U1.J9 U2.G4 | length 2919.7
  Top Layer w6: U2.G4@3240.55,2371.26 v2(3260.24,2390.94)
  Top Layer w10: U1.J9@4645.67,2390.94 v1(4661.22,2375.39) v1@4661.42,2375.2
  Signal 2 w4.15: v2(3260.24,2390.94) 3260.94,2390.94 3278,2408 3278,2944 3410,3076 4187.85,3076 4217.85,3046 4217.85,2933 4248.85,2902 4310.85,2902 4355.85,2947 4355.85,3042 4384.85,3071 4437.85,3071 4470.85,3038 4470.85,2960 4505.85,2925 4577.85,2925 4645,2857.85 4645,2391.61 v1(4661.22,2375.39)
AD9364_P1D8: U1.K7 U2.H3 | length 2913.1
  Top Layer w6: U2.H3@3201.18,2410.63 v2(3220.87,2430.32)
  Top Layer w10: v1@4661.42,2343.7 v1(4661.61,2343.5) U1.K7@4677.17,2327.95
  Signal 2 w4.15: v2(3220.87,2430.32) 3202,2449.18 3202,2896 3401,3095 4211.85,3095 4238.85,3068 4238.85,3010.15 4258,2991 4314,2991 4335.85,3012.85 4335.85,3068 4360.85,3093 4465.85,3093 4497.85,3061 4497.85,2968 4516.85,2949 4598.85,2949 4676.85,2871 4676.85,2358 4662.35,2343.5 v1(4661.61,2343.5)
AD9364_P1D9: U1.J8 U2.F3 | length 2917.8
  Top Layer w6: U2.F3@3279.92,2410.63 v2(3299.61,2430.32)
  Top Layer w10: v1@4629.92,2375.19 v1(4630.12,2375) U1.J8@4645.67,2359.45
  Signal 2 w4.15: v2@3299.61,2430.61 v2(3299.61,2430.32) 3300.32,2430.32 3321,2451 3321,2956 3423,3058 4113,3058 4166,3005 4166,2851 4206,2811 4277.85,2811 4376.85,2910 4376.85,3026 4394.85,3044 4429.85,3044 4447.85,3026 4447.85,2905 4463.85,2889 4564.85,2889 4629.85,2824 4629.85,2483 4613.85,2467 4613.85,2392 4630.12,2375.73 v1(4630.12,2375)